# Altium PCB Controller_4Layers.PcbDoc (part 1 of 2) (continued)
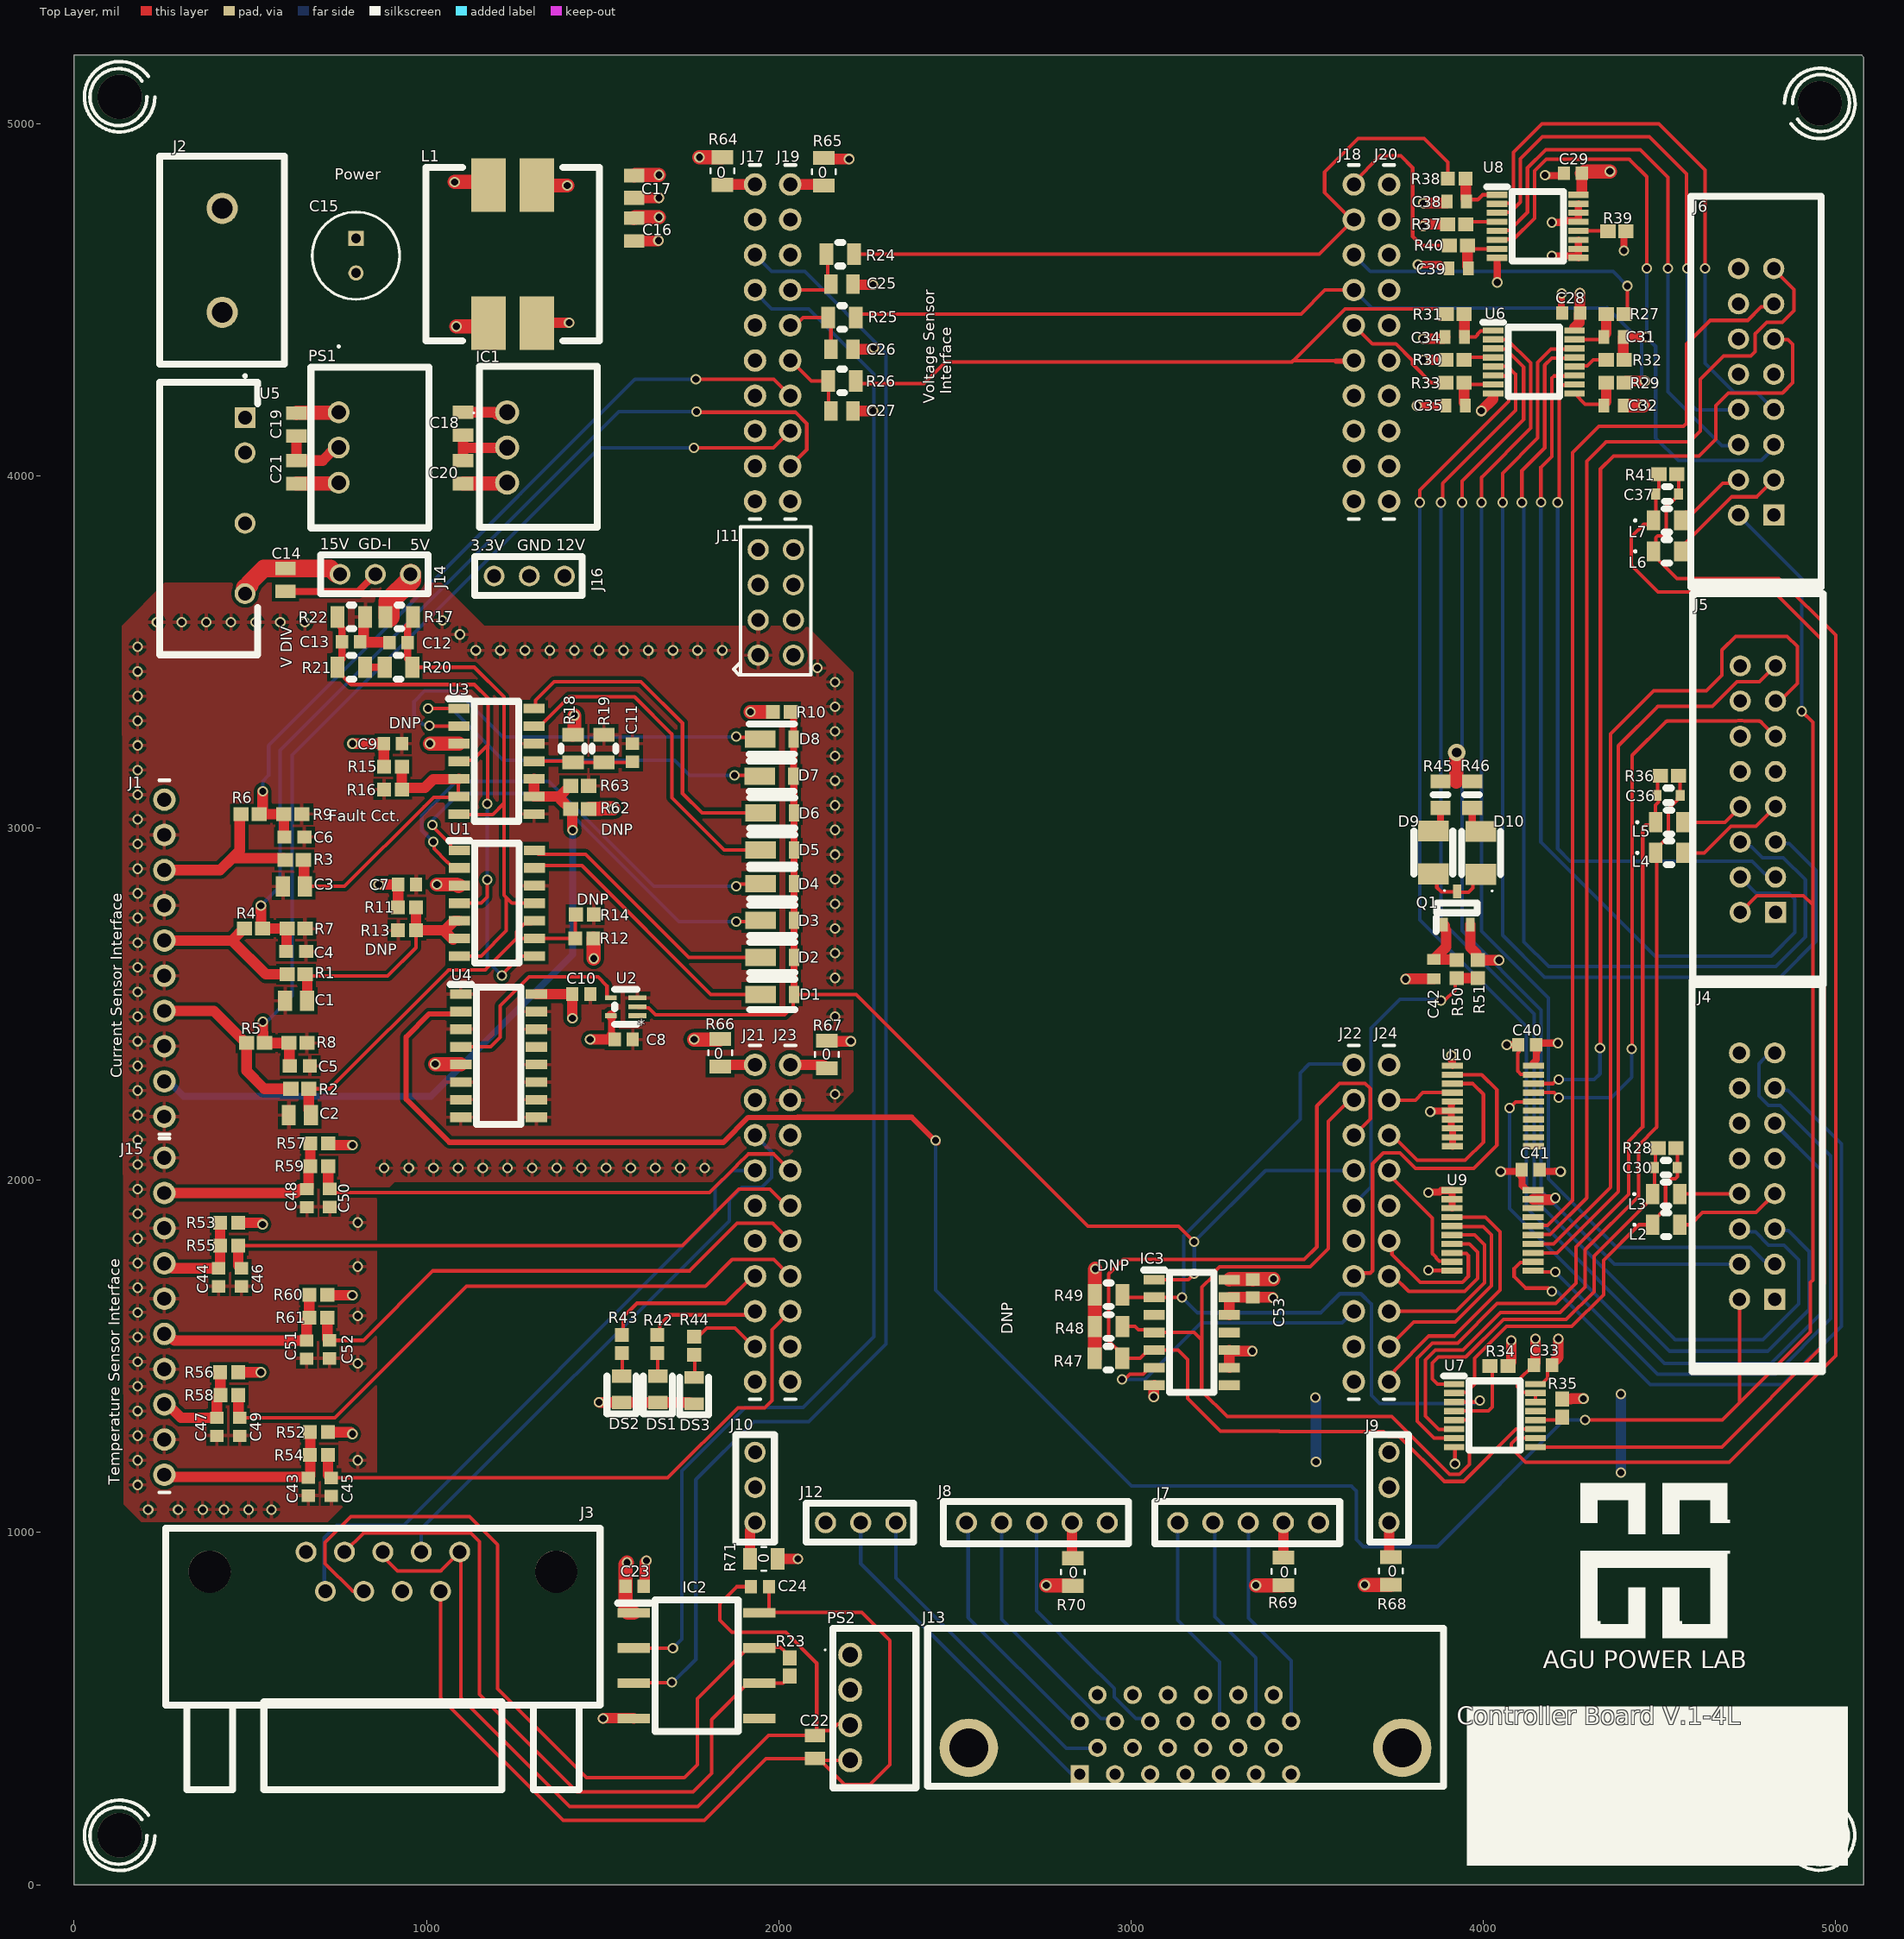
[diagram p0: Top Layer view]
## Design rules (kind name [scope] priority, off if disabled: settings)
Clearance [All] p1: gap=10 ignorepadtopadclearanceinfootprint=TRUE except(0: Arc-Hole Track-Hole SMDPad-Hole THPad-Hole Via-Hole Fill-Hole Poly-Hole Region-Hole Text-Hole)
ComponentClearance [All] p1 off: gap=10 collisioncheckmode=3 verticalgap=10 showdistances=FALSE
Height [All] p1 off: minheight=0 maxheight=1000 prefheight=500
HoleSize [All] p1: absolutevalues=TRUE maxlimit=200 minlimit=1 maxpercent=80.000 minpercent=20.000
HoleToHoleClearance [All] p1: gap=0 allowstackedmicrovias=TRUE
MinimumSolderMaskSliver [All] p1: minsoldermaskwidth=1
PlaneClearance [All] p1: clearance=20
PlaneConnect [All] p1: planeconnectstyle=Relief reliefexpansion=20 reliefentries=4 reliefconductorwidth=10 reliefairgap=10
PolygonConnect PolygonConnect_2 [All vs IsNamedPolygon('Int2 (PWR)-12VN_BATT')] p1: thpad.connectstyle=Direct thpad.reliefconductorwidth=10 thpad.reliefentries=4 thpad.polygonreliefangle="90 Angle" thpad.airgapwidth=10 smdpad.connectstyle=Relief smdpad.reliefconductorwidth=10 smdpad.reliefentries=4 smdpad.polygonreliefangle="90 Angle" smdpad.airgapwidth=10 via.connectstyle=Relief via.reliefconductorwidth=10 via.reliefentries=4 via.polygonreliefangle="90 Angle" via.airgapwidth=10
PolygonConnect PolygonConnect_1 [All vs IsNamedPolygon('Int2 (PWR)-12VN_BATT')] p2: thpad.connectstyle=Direct thpad.reliefconductorwidth=10 thpad.reliefentries=4 thpad.polygonreliefangle="90 Angle" thpad.airgapwidth=10 smdpad.connectstyle=Relief smdpad.reliefconductorwidth=10 smdpad.reliefentries=4 smdpad.polygonreliefangle="90 Angle" smdpad.airgapwidth=10 via.connectstyle=Relief via.reliefconductorwidth=10 via.reliefentries=4 via.polygonreliefangle="90 Angle" via.airgapwidth=10
PolygonConnect [All] p3: connectstyle=Relief reliefconductorwidth=10 reliefentries=4 polygonreliefangle="90 Angle" airgapwidth=10
RoutingVias [All] p1: holewidth=28 width=50 viastyle="Through Hole" minholewidth=28 minwidth=50 maxholewidth=28 maxwidth=50
SilkToSilkClearance [All] p1: silktosilkclearance=0
SilkToSolderMaskClearance [IsPad] p1: minsilkscreentomaskgap=0 clearancetoexposedcopper=TRUE
SolderMaskExpansion [All] p1: expansion=4 istentingtop=FALSE
Width [All] p1: maxlimit=80 minlimit=10 preferedwidth=10 toplayer_prefwidth=30 midlayer1_maxwidth=10 minimp=50.000000 maximp=50.000000 favimp=50.000000
21 further rules are at their usual default settings.

## Classes and differential pairs
component class "Voltage Sensor Interface": C25 C26 C27 R24 R25 R26
component class "Temp Sensor Interface": C43 C44 C45 C46 C47 C48 C49 C50 C51 C52 J15 R52 R53 R54 R55 R56 R57 R58 R59 R60 R61
component class PowerSupply: C14 C15 C16 C17 C18 C19 C20 C21 IC1 J2 J14 J16 L1 PS1 U5
component class Launchpad.~(23): C42 C53 D9 D10 DS1 DS2 DS3 IC3 J7 J8 J9 J10 J11 J12 J13 J17 J18 J19 J20 J21 J22 J23 J24 Q1 R42 R43 R44 R45 R46 R47 R48 R49 R50 R51 R64 R65 R66 R67 R68 R69 R70 R71
component class FaultCircuit: C7 C8 C9 C10 C11 C12 C13 D1 D2 D3 D4 D5 D6 D7 D8 R10 R11 R12 R13 R14 R15 R16 R17 R18 R19 R20 R21 R22 R62 R63 U1 U2 U3 U4
component class "Driver Interface.~(23)": C28 C29 C30 C31 C32 C33 C34 C35 C36 C37 C38 C39 C40 C41 J4 J5 J6 L2 L3 L4 L5 L6 L7 R27 R28 R29 R30 R31 R32 R33 R34 R35 R36 R37 R38 R39 R40 R41 U6 U7 U8 U9 U10
component class "Current Sensor Interface": C1 C2 C3 C4 C5 C6 J1 R1 R2 R3 R4 R5 R6 R7 R8 R9
component class CAN: C22 C23 C24 IC2 J3 PS2 R23

## Components (designator, comment, footprint, x,y, rotation, side; value= is the part's Value field where it differs from the comment)
C1 "C0805C333K1RECAUTO" CAPC2012X110N 630,2510 r0 top
C2 "C0805C333K1RECAUTO" CAPC2012X110N 640.59,2185 r0 top
C3 "C0805C333K1RECAUTO" CAPC2012X110N 623.5,2835 r0 top
C4 "C0603C103K3RACAUTO" CAPC17595_87N_KEM 630,2650 r180 top
C5 "C0603C103K3RACAUTO" CAPC17595_87N_KEM 640.59,2325 r180 top
C6 "C0603C103K3RACAUTO" CAPC17595_87N_KEM 625,2975 r180 top
C7 "0.01uF" CAPC1608X95N 945,2840 r0 top
C8 "0.01uF" CAPC1608X95N 1560,2400 r180 top
C9 "0.01uF" CAPC1608X95N 905,3240 r0 top
C10 "0.01uF" CAPC1608X95N 1439.77,2529 r180 top
C11 "0.01uF" CAPC1608X95N 1585,3214.41 r270 top
C12 "0.01uF" CAPC1608X95N 921,3527 r0 top
C13 "0.01uF" CAPC1608X95N 786,3529 r180 top
C14 "10uF" CAPC2012X145N 600,3705 r270 top
C15 "47u 50V" CAPPRD250W50D630H1250 800,4675 r270 top
C16 "10uF" CAPC2012X145N 1590,4700 r90 top
C17 "C0805C104K1RACAUTO(0.1u 100V)" CAPC2012X110N 1590,4821.5 r90 top
C18 "10uF" CAPC2012X145N 1104,4148.68 r90 top
C19 "10uF" CAPC2012X145N 631,4146 r90 top
C20 "10uF" CAPC2012X145N 1104,4011 r270 top
C21 "10uF" CAPC2012X145N 631,4011 r270 top
C22 "10uF" CAPC2012X145N 2103,391 r270 top
C23 "0.1u" CAPC1608X95N 1591,847 r180 top
C24 "0.1u" CAPC1608X95N 1947,846 r180 top
C25 "220nF" CAPC2012X70N 2180,4545 r180 top
C26 "220nF" CAPC2012X70N 2180,4360 r180 top
C27 "220nF" CAPC2012X70N 2180,4185 r180 top
C28 "C0603C104K3RACTU" CAPC1608X95N 4250,4463 r0 top
C29 "C0603C104K3RACTU" CAPC1608X95N 4255,4860 r0 top
C30 "27pF" CAP_CL10_SAM 4519,2036 r0 top
C31 "CL10C101JB8NNNC" CAPC1608X90N 4370,4395 r180 top
C32 "CL10C101JB8NNNC" CAPC1608X90N 4370,4200 r180 top
C33 "0.1uF" CAPC1608X95N 4170,1475 r0 top
C34 "CL10C101JB8NNNC" CAPC1608X90N 3920,4395 r0 top
C35 "CL10C101JB8NNNC" CAPC1608X90N 3922.44,4200 r0 top
C36 "27pF" CAP_CL10_SAM 4526.59,3093 r0 top
C37 "27pF" CAP_CL10_SAM 4522.59,3949 r0 top
C38 "CL10C101JB8NNNC" CAPC1608X90N 3925,4780 r0 top
C39 "CL10C101JB8NNNC" CAPC1608X90N 3930,4590 r0 top
C40 "0.1uF" CAPC1608X95N 4125,2385 r0 top
C41 "0.1uF" CAPC1608X95N 4135,2030 r180 top
C42 "CL10C101JB8NNNC" CAPC1608X90N 3860,2600 r90 top
C43 "0.1uF 50V" CAPC1608X95N 665,1130 r90 top
C44 "0.1uF 50V" CAPC1608X95N 410,1724.41 r90 top
C45 "0.1uF 50V" CAPC1608X95N 730,1129.41 r90 top
C46 "0.1uF 50V" CAPC1608X95N 475,1724.41 r90 top
C47 "0.1uF 50V" CAPC1608X95N 405,1300 r90 top
C48 "0.1uF 50V" CAPC1608X95N 660.59,1949.41 r90 top
C49 "0.1uF 50V" CAPC1608X95N 470,1300 r90 top
C50 "0.1uF 50V" CAPC1608X95N 725.59,1950 r90 top
C51 "0.1uF 50V" CAPC1608X95N 660,1519.41 r90 top
C52 "0.1uF 50V" CAPC1608X95N 725,1520 r90 top
C53 "0.01uF" CAPC1608X95N 3346,1693 r90 top
D1 "DFLR1200" POWERDI123_DIO 1982,2528 r0 top
D2 "DFLR1200" POWERDI123_DIO 1982,2633 r0 top
D3 "DFLR1200" POWERDI123_DIO 1982,2738 r0 top
D4 "DFLR1200" POWERDI123_DIO 1982,2843 r0 top
D5 "DFLR1200" POWERDI123_DIO 1982,2938 r0 top
D6 "DFLR1200" POWERDI123_DIO 1982,3043 r0 top
D7 "DFLR1200" POWERDI123_DIO 1980,3148 r0 top
D8 "DFLR1200" POWERDI123_DIO 1980.5,3253 r0 top
D9 "AA3528VRVFS_A" AA3528VRVFSA 3859,2931.02 r90 top
D10 "AA3528VRVFS_A" AA3528VRVFSA 3994,2930 r90 top
DS1 "LTST-C171KSKT" LEDC2012X90N 1657,1406.41 r90 top
DS2 "LH_R974-LP-1" LEDC2012X90N 1554,1406.41 r90 top
DS3 "LG_R971-KN-1" LEDC2012X80N 1760,1403.41 r90 top
IC1 "R-78E3.3-1.0" R78E3310 1229,4181 r270 top
IC2 "ISO1050DUBR" SOP254P1040X485-8N 1767,622 r0 top
IC3 "74HC21D_BJ_" SOIC127P600X175-14N 3172.77,1568 r0 top
J1 "FH2543-10GT10" PCBComponent_1#1 256,3081 r180 top value="2.54mm 1x10"
J2 "282844-2" 2828442 420,4760.28 r270 top
J3 "A-DS-09-A/KG-T2S" "CONN_A-DS 09 A/KG-T2S_ASM" 876.53,514.89 r180 top
J4 "1761606-6" con16_2X8_S4_TEC 4828,1662 r90 top
J5 "1761606-6" con16_2X8_S4_TEC 4830,2761 r90 top
J6 "1761606-6" con16_2X8_S4_TEC 4825,3889 r90 top
J7 "5POS_CONN" PCBComponent_1#2 3133,1028 r90 top
J8 "5POS_CONN" PCBComponent_1#2 2533,1028 r90 top
J9 "3POS_2.54mm_CONN" PCBComponent_1#3 3733,1228 r270 top
J10 "3POS_2.54mm_CONN" PCBComponent_1#3 1933,1228 r270 top
J11 "8POS2ROW_CONN" PCBComponent_1#4 1942,3491 r0 top
J12 "3POS_2.54mm_CONN" PCBComponent_1#3 2333,1028 r180 top
J13 "10226-55G3PC" 1022655G3PC 2855,313.41 r180 top
J14 "3POS_2.54mm_CONN" PCBComponent_1#5 955,3721 r180 top
J15 "FH2543-10GT10" PCBComponent_1#1 256,2064 r180 top value="2.54mm 1x10"
J16 "3POS_2.54mm_CONN" PCBComponent_1#5 1392,3716 r180 top
J17 "FH2543-10GT10" PCBComponent_1#1 1933,4828 r180 top value="2.54mm 1x10"
J18 "FH2543-10GT10" PCBComponent_1#1 3633,4828 r180 top value="2.54mm 1x10"
J19 "FH2543-10GT10" PCBComponent_1#1 2033,4828 r180 top value="2.54mm 1x10"
J20 "FH2543-10GT10" PCBComponent_1#1 3733,4828 r180 top value="2.54mm 1x10"
J21 "FH2543-10GT10" PCBComponent_1#1 1933,2328 r180 top value="2.54mm 1x10"
J22 "FH2543-10GT10" PCBComponent_1#1 3633,2328 r180 top value="2.54mm 1x10"
J23 "FH2543-10GT10" PCBComponent_1#1 2033,2328 r180 top value="2.54mm 1x10"
J24 "FH2543-10GT10" PCBComponent_1#1 3733,2328 r180 top value="2.54mm 1x10"
L1 "744282010" WE-SCC_1260/121070 1245,4630 r0 top
L2 "1uH" IND_2012_TDK 4520,1874 r0 top
L3 "MLZ2012N1R0LT000" IND_2012_TDK 4519.5,1961 r0 top
L4 "1uH" IND_2012_TDK 4528,2930 r0 top
L5 "MLZ2012N1R0LT000" IND_2012_TDK 4528,3017 r0 top
L6 "1uH" IND_2012_TDK 4522,3786 r0 top
L7 "MLZ2012N1R0LT000" IND_2012_TDK 4522,3874 r0 top
PS1 "R-78E5.0-1.0" R78E5010 751,4181 r270 top
PS2 "RFM-0505S" RFM0505S 2203,653 r270 top
Q1 "BSS138L" SOT96P237X111-3N 3926,2773.76 r90 top
R1 "CRG0603F1K0" RESC1608X55N#1 630,2585 r0 top
R2 "CRG0603F1K0" RESC1608X55N#1 640.59,2260 r0 top
R3 "CRG0603F1K0" RESC1608X55N#1 625,2910 r0 top
R4 "RMCF0603FT4K99" RESC1608X55N#1 509.41,2715 r0 top
R5 "RMCF0603FT4K99" RESC1608X55N#1 515,2390 r0 top
R6 "RMCF0603FT4K99" RESC1608X55N#1 499.41,3040 r0 top
R7 "RMCF0603FT7K50" RESC1608X55N#1 630,2715 r180 top
R8 "RMCF0603FT7K50" RESC1608X55N#1 635.59,2390 r180 top
R9 "RMCF0603FT7K50" RESC1608X55N#1 620.59,3040 r180 top
R10 "2k" RESC1608X55N#2 2009,3330 r0 top
R11 "2k" RESC1608X55N#2 945,2775 r180 top
R12 "2k" RESC1608X55N#2 1448.59,2687 r0 top
R13 "2k" RESC1608X55N#2 945,2710 r180 top
R14 "2k" RESC1608X55N#2 1450,2755 r0 top
R15 "2k" RESC1608X55N#2 905,3175 r180 top
R16 "2k" RESC1608X55N#2 905,3110 r180 top
R17 "1.24K ohm 0805" RES0805_RN73_TYCO_TYC 923,3600 r0 top
R18 "1.24K ohm 0805" RES0805_RN73_TYCO_TYC 1416,3226 r270 top
R19 "1.24K ohm 0805" RES0805_RN73_TYCO_TYC 1504,3226 r90 top
R20 "1.24K" RES0805_RN73_TYCO_TYC 920.75,3457 r180 top
R21 "1.24K" RES0805_RN73_TYCO_TYC 787,3457 r180 top
R22 "1.24K" RES0805_RN73_TYCO_TYC 787,3600 r0 top
R23 "120" RESC1608X55N#1 2031,618 r90 top
R24 "2.2K ohm 0805 ERA-6ARB222V" RES0805_RN73_TYCO_TYC 2175,4630 r180 top
R25 "2.2K ohm 0805 ERA-6ARB222V" RES0805_RN73_TYCO_TYC 2180,4450 r180 top
R26 "2.2K ohm 0805 ERA-6ARB222V" RES0805_RN73_TYCO_TYC 2180,4270 r180 top
R27 "RC0603JR-07120RL" RESC1608X55N#1 4375,4460 r0 top
R28 "100" RESC1608X55N#1 4522,2091 r0 top
R29 "RC0603JR-07120RL" RESC1608X55N#1 4375,4265 r0 top
R30 "RC0603JR-0715KL" RESC1608X55N#1 3920,4330 r0 top
R31 "RC0603JR-07120RL" RESC1608X55N#1 3920.59,4460 r0 top
R32 "RC0603JR-0715KL" RESC1608X55N#1 4375,4330 r0 top
R33 "RC0603JR-07120RL" RESC1608X55N#1 3920,4265 r0 top
R34 "15k" RESC1608X55N#1 4045,1473 r0 top
R35 "15k" RESC1608X55N#1 4225,1353.41 r90 top
R36 "100" RESC1608X55N#1 4529,3149 r0 top
R37 "RC0603JR-0715KL" RESC1608X55N#1 3925,4715 r0 top
R38 "RC0603JR-07120RL" RESC1608X55N#2 3925,4845 r0 top
R39 "RC0603JR-0715KL" RESC1608X55N#1 4380,4695 r0 top
R40 "RC0603JR-07120RL" RESC1608X55N#1 3930,4655 r0 top
R41 "100" RESC1608X55N#1 4524.59,4005 r0 top
R42 "RC0603FR-07680RL" RESC1608X55N#2 1655,1535 r90 top
R43 "RC0603FR-07680RL" RESC1608X55N#2 1555,1535.59 r90 top
R44 "RC0603FR-07680RL" RESC1608X55N#2 1760,1530 r90 top
R45 "KTR10EZPF1801" RESC2012X65N 3879,3095 r90 top
R46 "KTR10EZPF1801" RESC2012X65N 3969,3095 r90 top
R47 "1.24K ohm" RES0805_RN73_TYCO_TYC 2936.25,1495 r0 top
R48 "1.24K ohm" RES0805_RN73_TYCO_TYC 2937,1585 r0 top
R49 "1.24K ohm" RES0805_RN73_TYCO_TYC 2937,1675 r0 top
R50 "RC0603JR-07120RL" RESC1608X55N#2 3925,2600 r90 top
R51 "MCR03ERTF1002" RESC1608X55N#2 3985,2600 r270 top
R52 "10k 0.1W" RESC1608X55N#2 695,1285 r0 top
R53 "10k 0.1W" RESC1608X55N#2 440,1880 r0 top
R54 "1k 0.1W" RESC1608X55N#2 695,1220 r0 top
R55 "1k 0.1W" RESC1608X55N#2 440,1815 r0 top
R56 "10k 0.1W" RESC1608X55N#2 440,1455 r0 top
R57 "10k 0.1W" RESC1608X55N#2 695.59,2105 r0 top
R58 "1k 0.1W" RESC1608X55N#2 440.59,1390 r0 top
R59 "1k 0.1W" RESC1608X55N#2 695.59,2040 r0 top
R60 "10k 0.1W" RESC1608X55N#2 693,1675 r0 top
R61 "1k 0.1W" RESC1608X55N#2 693,1610 r0 top
R62 "2k" RESC1608X55N#1 1435,3055 r180 top
R63 "2k" RESC1608X55N#1 1435,3120 r180 top
R64 "0ohm 0805" RES0805_RN73_TYCO_TYC 1840,4866 r270 top
R65 "0ohm 0805" RES0805_RN73_TYCO_TYC 2128,4864 r90 top
R66 "0ohm 0805" RES0805_RN73_TYCO_TYC 1834,2362.25 r270 top
R67 "0ohm 0805" RES0805_RN73_TYCO_TYC 2137,2357.75 r90 top
R68 "0ohm 0805" RES0805_RN73_TYCO_TYC 3738,890.75 r90 top
R69 "0ohm 0805" RES0805_RN73_TYCO_TYC 3433,889.75 r90 top
R70 "0ohm 0805" RES0805_RN73_TYCO_TYC 2835,887.75 r90 top
R71 "0ohm 0805" RES0805_RN73_TYCO_TYC 1958.25,925 r180 top
U1 "LM339DT" SOIC127P600X175-14N 1200,2787 r0 top
U2 "74AHC1G14GW (Inverter)" SOT353-1_NXP 1566,2493 r180 top
U3 "LM339DT" SOIC127P600X175-14N 1199,3190 r0 top
U4 "HEF4043BT,652" SOIC127P600X175-16N 1205,2354 r0 top
U5 "PDM2-S12-S15-S" CONV_PDM2-S12-S15-S 485,4166 r270 top
U6 "AM26LV31EIPWR" SOP65P640X120-16N 4144,4324 r0 top
U7 "AM26LV32EIPWR" SOP65P640X120-16N 4033,1332 r0 top
U8 "AM26LV31EIPWR" SOP65P640X120-16N 4155,4709 r0 top
U9 "SN74LV541ATPWRv2" PCBComponent_1#6 3912,1971.47 r0 top
U10 "SN74LV541ATPWRv2" PCBComponent_1#6 3913,2325.05 r0 top

## Footprints (in the part's own frame and the unit in brackets; to place one, negate y for a bottom-side part, rotate by r counter-clockwise, add the part's x,y. Pads: shape width x height; smd on the part's side, far side on the other; paste and mask are expansions set on the pad)
1022655G3PC [mm]
  rect 1.316x1.316 hole 0.81: 1(0,0)
  round 1.316 hole 0.81: 2(-1.27,-1.91) 3(-2.54,0) 4(-3.81,-1.91) 5(-5.08,0) 6(-6.35,-1.91) 7(-7.62,0) 8(-8.89,-1.91) 9(-10.16,0) 10(-11.43,-1.91) 11(-12.7,0) 12(-13.97,-1.91) 13(-15.24,0) 14(0,-3.82) 15(-1.27,-5.73) 16(-2.54,-3.82) 17(-3.81,-5.73) 18(-5.08,-3.82) 19(-6.35,-5.73) 20(-7.62,-3.82) 21(-8.89,-5.73) 22(-10.16,-3.82) 23(-11.43,-5.73) 24(-12.7,-3.82) 25(-13.97,-5.73) 26(-15.24,-3.82)
  round 4.215 hole 2.81: MH1(8.01,-1.91) MH2(-23.25,-1.91)
  silkscreen extent -26.22,-10.53 10.98,0.87
2828442 [mm]
  round 2.25 hole 1.5: 1(0,0) 2(7.5,0)
  silkscreen extent -3.75,-4.5 11.25,4.5, body extent -3.69,-4.5 11.81,4.5, height 15.02
AA3528VRVFSA [mm]
  rect 1.5x2.2 smd: 1(-1.55,0) 2(1.55,0)
  silkscreen extent -2.8,-1.4 1.55,1.4, body extent -1.6,-1.4 1.6,1.4, height 2.2
CAP_CL10_SAM [mm]
  rect 0.656x0.8 smd paste+0 mask+0: 1(-0.828,0) 2(0.828,0)
  silkscreen extent -0.19,-0.53 0.19,0.53, body extent -0.8,-0.27 0.8,0.53, height 0.9
CAPC1608X90N [mm]
  rect 0.78x0.99 smd: 1(-0.7,0) 2(0.7,0)
  body extent -0.8,-0.4 0.8,0.41, height 0.9
CAPC1608X95N [mm]
  rect 0.89x0.98 smd: 1(-0.65,0) 2(0.65,0)
  body extent -0.8,-0.4 0.8,0.4, height 0.95
CAPC2012X70N [mm]
  rect 0.96x1.39 smd: 1(-0.79,0) 2(0.79,0)
  body extent -1,-0.62 1,0.63, height 0.7
CAPC2012X110N [mm]
  rect 1.02x1.47 smd: 1(-0.8,0) 2(0.8,0)
  body extent -1,-0.62 1,0.63, height 1.1
CAPC2012X145N [mm]
  rect 0.97x1.47 smd: 1(-0.83,0) 2(0.83,0)
  body extent -1,-0.63 1,0.63, height 1.45
CAPC17595_87N_KEM [mm]
  rect 1.006x0.95 smd paste+0 mask+0: 1(-0.728,0) 2(0.728,0)
  body extent -0.89,-0.47 0.86,0.48, height 0.87
CAPPRD250W50D630H1250 [mm]
  rect 1.1x1.1 hole 0.7: 1(0,0)
  round 1.1 hole 0.7: 2(2.5,0)
  silkscreen extent -1.9,-3.15 4.4,3.15, body extent -1.9,-3.15 4.4,3.15, height 12.5
con16_2X8_S4_TEC [mil]
  rect 60x60 hole 38: 1(0,0)
  round 60 hole 38 mask+0: 2(0,100) 3(100,0) 4(100,100) 5(200,0) 6(200,100) 7(300,0) 8(300,100) 9(400,0) 10(400,100) 11(500,0) 12(500,100) 13(600,0) 14(600,100) 15(700,0) 16(700,100)
  silkscreen extent -205,-135 905,235, body extent -50,-50 750,150, height 385
"CONN_A-DS 09 A/KG-T2S_ASM" [mil]
  round 59 hole 39 mask+0: 1(218.11,-429.92) 2(109.06,-429.92) 3(0,-429.92) 4(-109.05,-429.92) 5(-218.11,-429.92) 6(163.58,-318.11) 7(54.53,-318.11) 8(-54.53,-318.11) 9(-163.58,-318.11)
  round 120 hole 120 unplated: 10(-491.93,-374.02) 11(491.93,-374.02)
  silkscreen extent -617,-497 616,245, body extent -606,-487 617,245, height 504
CONV_PDM2-S12-S15-S [mm]
  rect 1.508x1.508 hole 1: 1(0,0)
  round 1.508 hole 1: 2(2.54,0) 4(7.62,0) 6(12.7,0)
  silkscreen extent -3.1,-6.15 17.11,0.9
IND_2012_TDK [mm]
  rect 0.956x1.45 smd paste+0 mask+0: 1(-0.978,0) 2(0.978,0)
  silkscreen extent -2.37,-0.85 0.19,0.85, body extent -1.23,-0.72 0.97,0.73, height 1.1
LEDC2012X80N [mm]
  rect 0.9x1.4 smd: 1(-0.95,0) 2(0.95,0)
  silkscreen extent -1.75,-1.05 0.95,1.05
LEDC2012X90N [mm]
  rect 0.95x1.4 smd: 1(-0.95,0) 2(0.95,0)
  silkscreen extent -1.77,-1.05 0.95,1.05
PCBComponent_1#1 [mm]
  round 1.62 hole 1.02: 1(0,0) 2(0,2.54) 3(0,5.08) 4(0,7.62) 5(0,10.16) 6(0,12.7) 7(0,15.24) 8(0,17.78) 9(0,20.32) 10(0,22.86)
  silkscreen extent -0.38,-1.4 0.38,24.13
PCBComponent_1#2 [mm]
  round 1.524 hole 1: 1(0,0) 2(0,-2.54) 3(0,-5.08) 4(0,-7.62) 5(0,-10.16)
  silkscreen extent -1.52,-11.68 1.52,1.65
PCBComponent_1#3 [mm]
  round 1.524 hole 1: 1(0,0) 2(2.54,0) 3(5.08,0)
  silkscreen extent -1.27,-1.4 6.48,1.4
PCBComponent_1#4 [mm]
  round 1.524 hole 1.016: 1(0,0) 2(0,2.54) 3(0,5.08) 4(0,7.62) 5(2.54,7.62) 6(2.54,5.08) 7(2.54,2.54) 8(2.54,0)
  round 1.524 hole 0.65: 4(0,7.62) 5(2.54,7.62)
  silkscreen extent -1.78,-1.4 3.81,9.27
PCBComponent_1#5 [mm]
  round 1.5 hole 1: 1(0,0) 2(2.54,0) 3(5.08,0)
  silkscreen extent -1.27,-1.4 6.48,1.4
PCBComponent_1#6 [mm]
  rect 1.524x0.45 smd: 1(0,0.008) 2(0,-0.637) 3(0,-1.282) 4(0,-1.927) 5(0,-2.572) 6(0,-3.217) 7(0,-3.862) 8(0,-4.507) 9(0,-5.152) 10(0,-5.797) 11(5.842,-5.797) 12(5.842,-5.152) 13(5.842,-4.507) 14(5.842,-3.862) 15(5.842,-3.217) 16(5.842,-2.572) 17(5.842,-1.927) 18(5.842,-1.282) 19(5.842,-0.637) 20(5.842,0.008)
  body extent -0.28,-6.17 6.12,0.33, height 1.13
POWERDI123_DIO [mil]
  rect 87x49 smd paste+0 mask+0: 1(-33.5,0)
  rect 30x49 smd paste+0 mask+0: 2(62,0)
  silkscreen extent -64,-43 64,43, body extent -77,-38 77,38, height 39
R78E3310 [mm]
  round 1.725 hole 1.15: 1(0,0) 2(2.54,0) 3(5.08,0)
  silkscreen extent -3.31,-2.45 8.29,6.5, body extent -3.31,-2 8.29,6.5, height 11
R78E5010 [mm]
  round 1.575 hole 1.05: 1(0,0) 2(2.54,0) 3(5.08,0)
  silkscreen extent -4.8,-2 8.34,6.5, body extent -3.26,-2 8.34,6.5, height 10.5
RES0805_RN73_TYCO_TYC [mil]
  rect 39.5x61 smd paste+0 mask+0: 1(-39.25,0) 2(39.25,0)
  silkscreen extent -7,-34 7,34, body extent -53,-29 34,29, height 24
RESC1608X55N#1 [mm]
  rect 1.1x1 smd: 1(-0.65,0) 2(0.65,0)
  body extent -0.8,-0.4 0.8,0.4, height 0.55
RESC1608X55N#2 [mm]
  rect 1x1 smd: 1(-0.65,0) 2(0.65,0)
  body extent -0.8,-0.4 0.8,0.4, height 0.55
RESC2012X65N [mm]
  rect 1x1.45 smd: 1(-0.95,0) 2(0.95,0)
  silkscreen extent 0,-0.53 0,0.53, body extent -1,-0.63 1,0.63, height 0.65
RFM0505S [mm]
  round 1.725 hole 1.15: 1(0,0) 2(2.54,0) 3(5.08,0) 4(7.62,0)
  silkscreen extent -1.9,-1.85 9.6,4.75, body extent -1.9,-1.25 9.6,4.75, height 10.6
SOIC127P600X175-14N [mm]
  rect 1.525x0.7 smd: 1(-2.712,3.81) 2(-2.712,2.54) 3(-2.712,1.27) 4(-2.712,0) 5(-2.712,-1.27) 6(-2.712,-2.54) 7(-2.712,-3.81) 8(2.712,-3.81) 9(2.712,-2.54) 10(2.712,-1.27) 11(2.712,0) 12(2.712,1.27) 13(2.712,2.54) 14(2.712,3.81)
  silkscreen extent -3.48,-4.33 1.6,4.51, body extent -3,-4.33 3,4.33, height 1.75
SOIC127P600X175-16N [mm]
  rect 1.55x0.7 smd: 1(-2.725,4.445) 2(-2.725,3.175) 3(-2.725,1.905) 4(-2.725,0.635) 5(-2.725,-0.635) 6(-2.725,-1.905) 7(-2.725,-3.175) 8(-2.725,-4.445) 9(2.725,-4.445) 10(2.725,-3.175) 11(2.725,-1.905) 12(2.725,-0.635) 13(2.725,0.635) 14(2.725,1.905) 15(2.725,3.175) 16(2.725,4.445)
  silkscreen extent -3.5,-4.95 1.6,5.15, body extent -3,-4.95 3,4.95, height 1.75
SOP65P640X120-16N [mm]
  rect 1.475x0.45 smd: 1(-2.938,2.275) 2(-2.938,1.625) 3(-2.938,0.975) 4(-2.938,0.325) 5(-2.938,-0.325) 6(-2.938,-0.975) 7(-2.938,-1.625) 8(-2.938,-2.275) 9(2.938,-2.275) 10(2.938,-1.625) 11(2.938,-0.975) 12(2.938,-0.325) 13(2.938,0.325) 14(2.938,0.975) 15(2.938,1.625) 16(2.938,2.275)
  silkscreen extent -3.67,-2.5 1.85,2.85, body extent -3.2,-2.5 3.2,2.5, height 1.2
SOP254P1040X485-8N [mm]
  rect 2.35x0.7 smd: 1(-4.525,3.81) 2(-4.525,1.27) 3(-4.525,-1.27) 4(-4.525,-3.81) 5(4.525,-3.81) 6(4.525,-1.27) 7(4.525,1.27) 8(4.525,3.81)
  silkscreen extent -5.7,-4.75 3,4.75, body extent -5.2,-4.75 5.2,4.75, height 4.85
SOT96P237X111-3N [mm]
  rect 1x0.6 smd: 1(-1.2,0.955) 2(-1.2,-0.955) 3(1.2,0)
  silkscreen extent -1.7,-1.46 0.35,1.51, body extent -1.18,-1.46 1.18,1.46, height 1.11
SOT353-1_NXP [mil]
  rect 51x14 smd paste+0 mask+0: 1(-33,25.59) 2(-33,0) 3(-33,-25.59)
  rect 33x14 smd paste+0 mask+0: 4(42,-25.59) 5(42,25.59)
  silkscreen extent -32,-49 32,50, body extent -39,-44 49,44, height 43
WE-SCC_1260/121070 [mm]
  rect 2.5x3.85 smd: 1(1.75,4.975) 2(-1.75,4.975) 3(-1.75,-4.975) 4(1.75,-4.975)
  silkscreen extent -6.25,-6.25 6.25,6.25
